# KiCad board rabbit_mask_video_edit.kicad_pcb (continued)
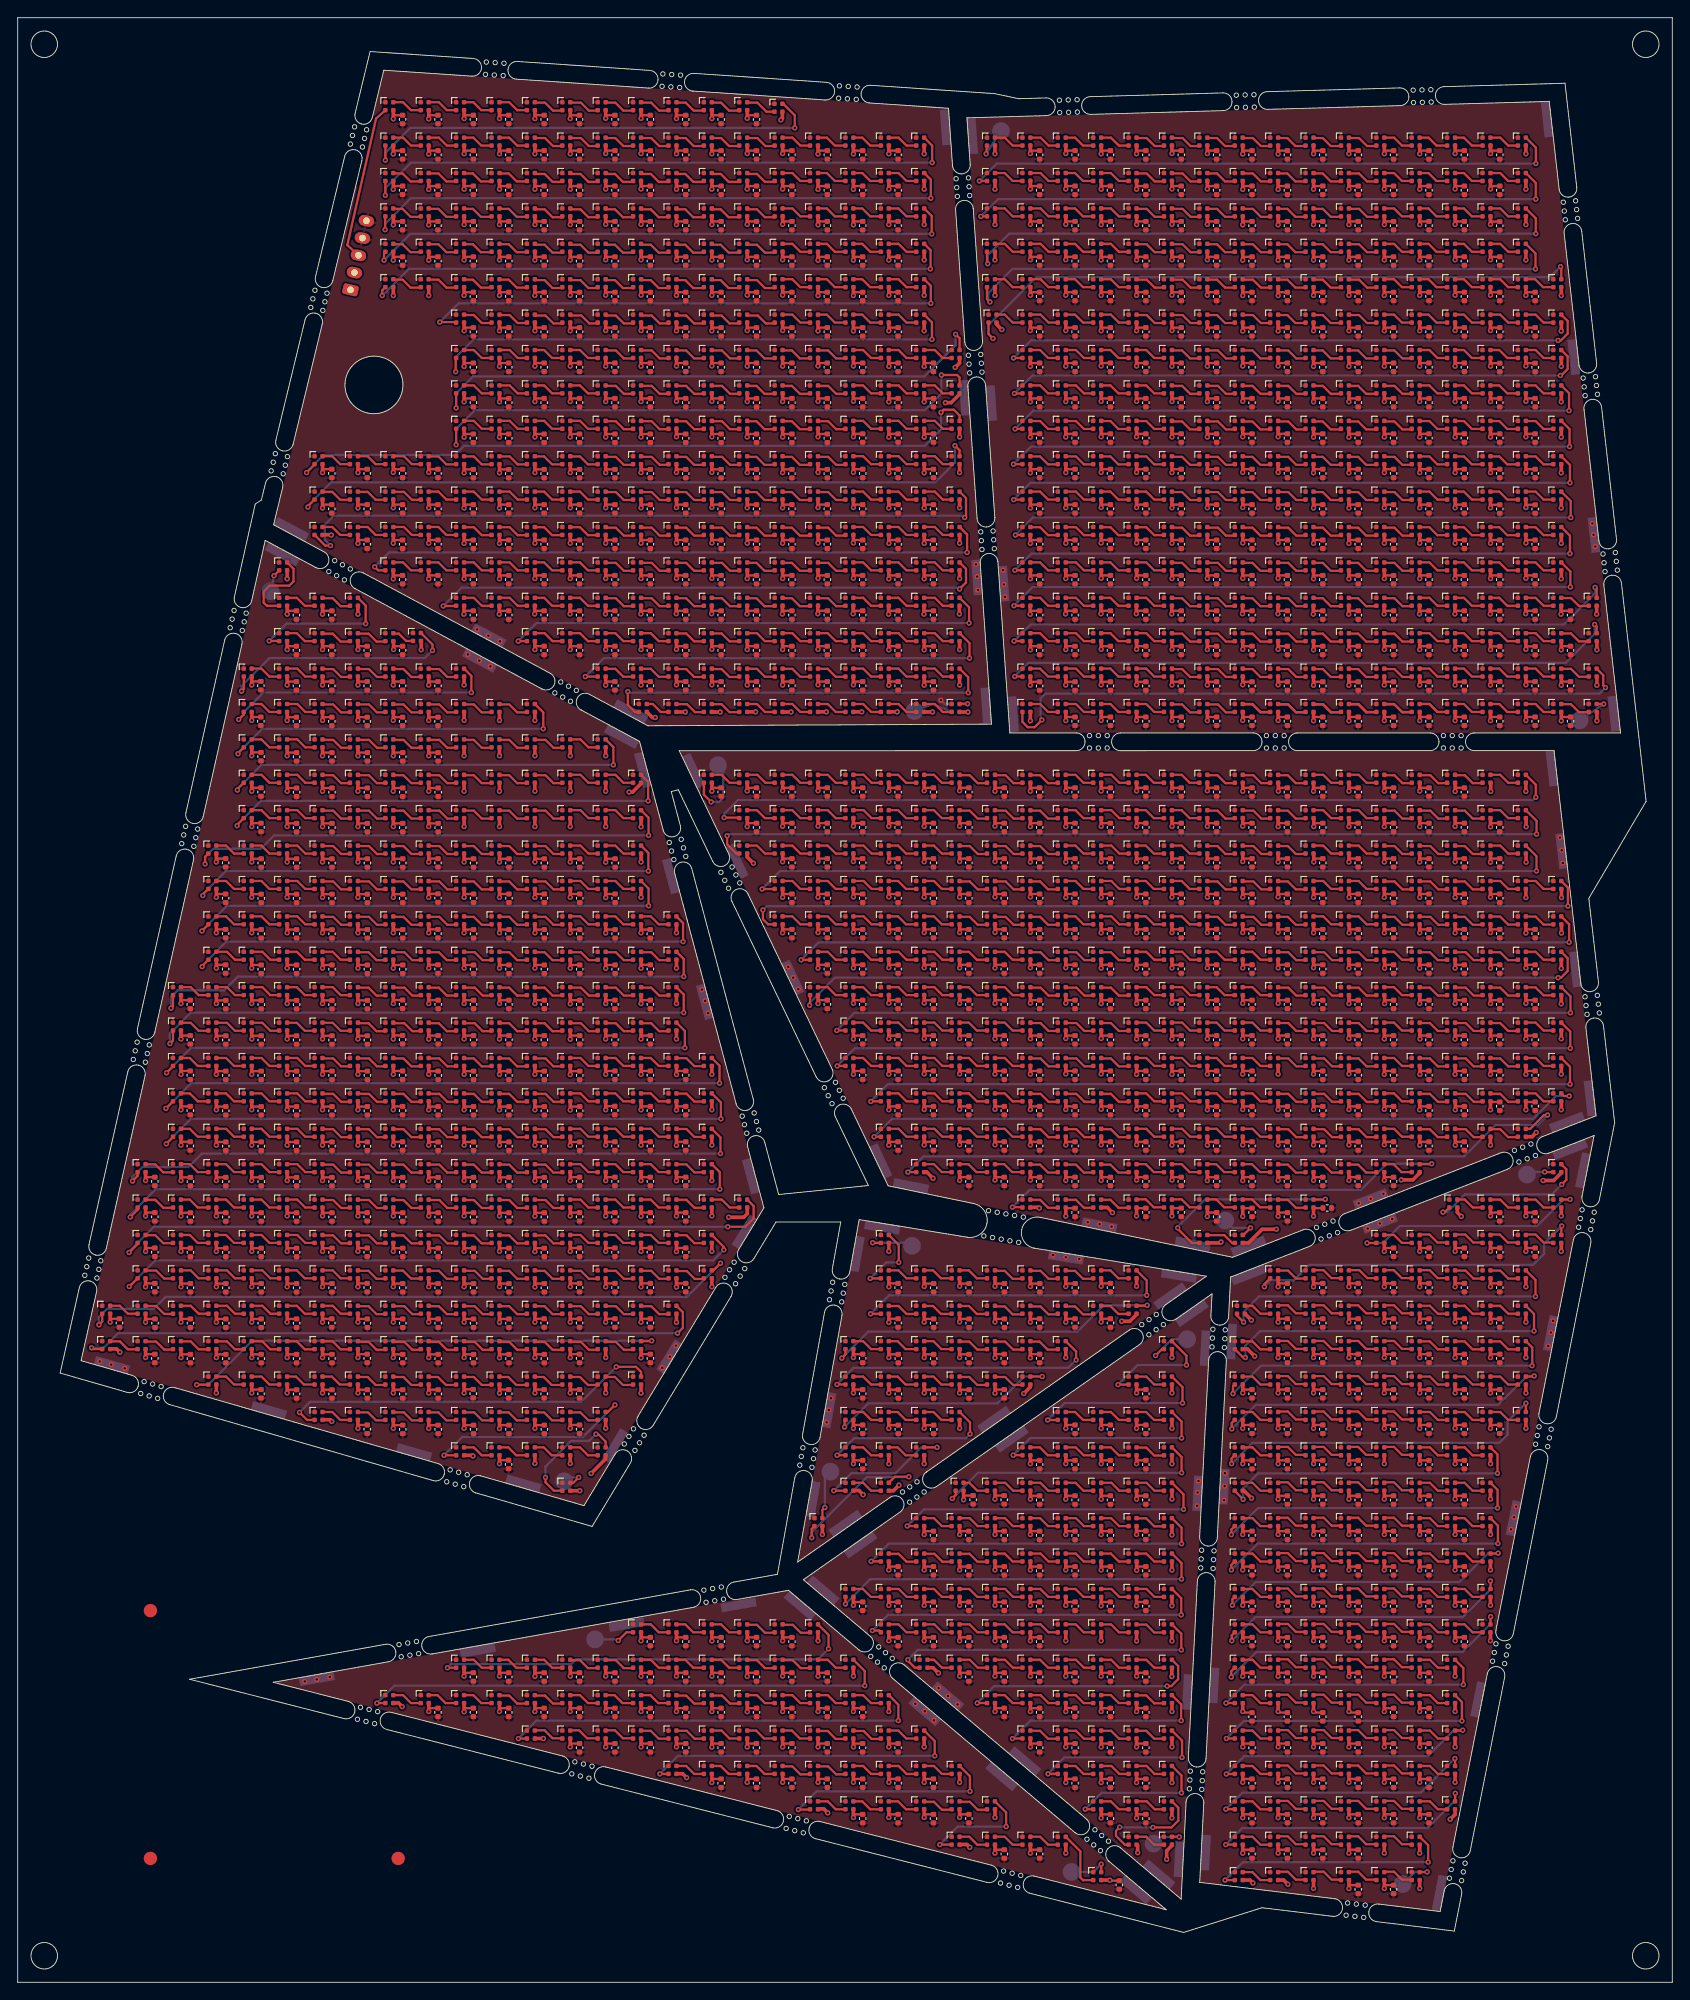
[diagram p0: board, top side]
## Routing (per net, layer and track width the routed paths; a pad name or vN(x,y) marks a point on that pad's centre or on a via; arc(x,y) is an arc through that point) (continued)
v1(114.45,162.6) ; 158.45,75.57 v1(158.45,74.6) ; 42.45,143.57 v1(42.45,142.6) ; 98.45,179.57 v1(98.45,178.6) ; 94.45,35.57 v1(94.45,34.6) ; 162.45,47.57 v1(162.45,46.6) ; 154.45,63.57 v1(154.45,62.6) ; 130.45,175.6 v1(130.45,174.62) ; 134.45,131.6 v1(134.45,130.62) ; 134.45,135.62 v1(134.45,134.65) ; 82.45,131.57 v1(82.45,130.6) ; D193.2 110.62,187.35 v1(111.22,186.75) ; D495.2 v1(114.45,150.57) ; 170.45,103.57 v1(170.45,102.6) ; 38.45,155.57 v1(38.45,154.6) ; 90.45,175.62 v1(90.45,174.65) ; 58.45,119.58 v1(58.45,118.6) ; 98.45,63.57 v1(98.45,62.6) ; 154.45,195.6 v1(154.45,194.62) ; 94.45,119.62 v1(94.45,118.65) ; 170.47,131.55 v1(170.47,130.57) ; 98.45,123.62 v1(98.45,122.65) ; 90.45,135.62 v1(90.45,134.65) ; 150.45,35.56 v1(150.45,34.59) ; 82.45,167.6 v1(82.45,166.62) ; 50.45,103.57 v1(50.45,102.6) ; 42.45,91.57 v1(42.45,90.6) ; 58.45,163.6 v1(58.45,162.62) ; 50.45,91.57 v1(50.45,90.6) ; D1411.2 v1(78.45,26.57) ; 38.45,103.57 v1(38.45,102.6) ; 90.45,39.57 v1(90.45,38.6) ; 94.45,67.57 v1(94.45,66.6) ; 90.45,159.62 v1(90.45,158.65) ; 58.45,31.57 v1(58.45,30.6) ; 86.45,151.57 v1(86.45,150.6) ; 166.45,59.57 v1(166.45,58.6) ; 130.45,87.57 v1(130.45,86.6) ; D1478.2 v1(123.43,11.55) ; D1131.2 v1(98.45,74.57) ; 130.45,51.54 v1(130.45,50.56) ; 158.45,43.57 v1(158.45,42.6) ; 174.45,163.57 v1(174.45,162.6) ; 106.45,163.6 v1(106.45,162.62) ; 114.45,31.57 v1(114.45,30.6) ; 86.45,135.62 v1(86.45,134.65) ; 62.45,195.6 v1(62.45,194.62) ; 114.45,27.57 v1(114.45,26.6) ; 94.45,203.57 v1(94.45,202.6) ; 58.45,135.57 v1(58.45,134.6) ; 158.45,187.6 v1(158.45,186.62) ; 114.45,35.57 v1(114.45,34.6) ; 70.45,127.58 v1(70.45,126.6) ; D809.2 v1(174.45,114.58) ; 74.45,171.6 v1(74.45,170.62) ; 74.45,179.62 v1(74.45,178.65) ; 94.45,175.62 v1(94.45,174.65) ; 86.45,127.6 v1(86.45,126.62) ; 98.45,23.57 v1(98.45,22.6) ; 70.45,207.62 v1(70.45,206.65) ; 170.45,167.62 v1(170.45,166.65) ; 106.45,23.57 v1(106.45,22.6) ; 106.45,51.57 v1(106.45,50.6) ; 166.45,179.6 v1(166.45,178.62) ; 146.45,75.57 v1(146.45,74.6) ; 78.45,159.62 v1(78.45,158.65) ; 74.45,207.6 v1(74.45,206.62) ; 26.45,143.57 v1(26.45,142.6) ; 114.45,91.62 v1(114.45,90.65) ; 102.45,63.57 v1(102.45,62.6) ; 118.45,71.57 v1(118.45,70.6) ; 46.45,163.6 v1(46.45,162.62) ; 58.45,131.57 v1(58.45,130.6) ; 102.45,95.6 v1(102.45,94.62) ; 110.45,99.62 v1(110.45,98.65) ; 146.45,159.57 v1(146.45,158.6) ; 30.45,115.58 v1(30.45,114.6) ; 138.45,203.57 v1(138.45,202.6) ; 114.45,43.57 v1(114.45,42.6) ; 162.45,159.6 v1(162.45,158.62) ; 166.47,135.55 v1(166.47,134.57) ; 138.45,15.57 v1(138.45,14.6) ; 70.42,155.6 v1(70.42,154.62) ; 162.45,163.6 v1(162.45,162.62) ; 150.45,207.6 v1(150.45,206.62) ; 166.45,43.57 v1(166.45,42.6) ; 166.45,123.6 v1(166.45,122.62) ; 118.45,203.62 v1(118.45,202.65) ; 118.45,199.62 v1(118.45,198.65) ; 154.45,11.57 v1(154.45,10.6) ; 114.45,167.57 v1(114.45,166.6) ; 82.45,159.6 v1(82.45,158.62) ; 110.45,131.62 v1(110.45,130.65) ; 130.43,35.53 v1(130.43,34.56) ; 62.45,87.57 v1(62.45,86.6) ; 102.45,43.57 v1(102.45,42.6) ; 170.45,171.6 v1(170.45,170.62) ; 106.45,103.62 v1(106.45,102.65) ; 106.45,175.6 v1(106.45,174.62) ; 102.45,199.6 v1(102.45,198.62) ; 38.45,79.57 v1(38.45,78.6) ; 42.45,139.57 v1(42.45,138.6) ; D858.2 v1(62.45,106.57) ; 130.45,119.6 v1(130.45,118.62) ; 126.45,103.57 v1(126.45,102.6) ; 46.45,95.57 v1(46.45,94.6) ; 46.45,83.57 v1(46.45,82.6) ; 54.45,135.57 v1(54.45,134.6) ; 170.45,67.57 v1(170.45,66.6) ; 38.45,167.57 v1(38.45,166.6) ; v1(45.6,150.57) 45.6,151.55 D481.2 ; 142.45,107.6 v1(142.45,106.62) ; 114.45,127.58 v1(114.45,126.6) ; 42.45,199.57 v1(42.45,198.6) ; 62.45,115.58 v1(62.45,114.6) ; 130.45,199.62 v1(130.45,198.65) ; 154.45,163.6 v1(154.45,162.62) ; 142.45,23.57 v1(142.45,22.6) ; 34.45,111.57 v1(34.45,110.6) ; 34.45,139.57 v1(34.45,138.6) ; 38.45,87.57 v1(38.45,86.6) ; 30.45,75.57 v1(30.45,74.6) ; 78.45,103.57 v1(78.45,102.6) ; 126.45,115.58 v1(126.45,114.6) ; 118.45,207.62 v1(118.45,206.65) ; 142.45,35.56 v1(142.45,34.59) ; 26.45,115.58 v1(26.45,114.6) ; 146.45,203.6 v1(146.45,202.62) ; 30.45,119.58 v1(30.45,118.6) ; 110.45,195.6 v1(110.45,194.62) ; 94.45,191.57 v1(94.45,190.6) ; 42.45,31.57 43.03,31.57 v1(43.45,31.15) ; 138.45,59.57 v1(138.45,58.6) ; 158.45,59.57 v1(158.45,58.6) ; 154.45,103.57 v1(154.45,102.6) ; 122.45,203.6 v1(122.45,202.62) ; 122.45,163.62 v1(122.45,162.65) ; 158.45,35.56 v1(158.45,34.59) ; 98.42,143.56 v1(99.39,143.56) ; 130.45,59.57 v1(130.45,58.6) ; 102.45,47.57 v1(102.45,46.6) ; 50.45,143.57 v1(50.45,142.6) ; 58.45,195.6 v1(58.45,194.62) ; 94.45,179.62 v1(94.45,178.65) ; 138.45,43.57 v1(138.45,42.6) ; 146.45,143.53 v1(146.45,142.55) ; 170.45,187.6 v1(170.45,186.62) ; 158.45,39.57 v1(158.45,38.6) ; 22.45,111.57 v1(22.45,110.6) ; 46.45,67.57 v1(46.45,66.6) ; 58.45,183.6 v1(58.45,182.62) ; 122.45,111.57 v1(122.45,110.6) ; 110.45,55.57 v1(110.45,54.6) ; 114.43,155.57 v1(114.43,154.6) ; 170.45,195.6 v1(170.45,194.62) ; 94.45,71.57 v1(94.45,70.6) ; 22.45,95.57 v1(22.45,94.6) ; 150.45,63.57 v1(150.45,62.6) ; 66.45,195.62 v1(66.45,194.65) ; 138.45,119.6 v1(138.45,118.62) ; 30.45,123.58 v1(30.45,122.6) ; 98.45,111.62 v1(98.45,110.65) ; 58.45,151.57 v1(58.45,150.6) ; 142.45,127.58 v1(142.45,126.6) ; 30.45,87.57 v1(30.45,86.6) ; 114.45,103.6 v1(114.45,102.62) ; 122.45,31.57 v1(122.45,30.6) ; 42.45,171.6 v1(42.45,170.62) ; 146.45,99.6 v1(146.45,98.62) ; 118.45,123.58 v1(118.45,122.6) ; 138.43,155.62 v1(138.43,154.65) ; 66.45,163.6 v1(66.45,162.62) ; 106.45,147.57 v1(106.45,146.6) ; 150.45,71.57 v1(150.45,70.6) ; 142.45,15.57 v1(142.45,14.6) ; 122.45,183.62 v1(122.45,182.65) ; 126.45,151.6 v1(126.45,150.62) ; 94.45,103.57 v1(94.45,102.6) ; 142.45,183.62 v1(142.45,182.65) ; 170.45,71.57 v1(170.45,70.6) ; 146.45,27.57 v1(146.45,26.6) ; 26.45,107.57 v1(26.45,106.6) ; 138.45,71.57 138.97,71.57 v1(139.8,70.75) ; 150.45,55.57 v1(150.45,54.6) ; 110.45,135.57 v1(110.45,134.6) ; 54.45,115.58 v1(54.45,114.6) ; 58.45,167.6 v1(58.45,166.62) ; D1002.2 v1(58.45,90.57) ; 118.45,55.57 v1(118.45,54.6) ; 130.45,95.57 v1(130.45,94.6) ; 34.45,91.57 v1(34.45,90.6) ; 158.45,191.6 v1(158.45,190.62) ; 122.45,131.6 v1(122.45,130.62) ; 138.45,67.57 v1(138.45,66.6) ; 146.45,107.6 v1(146.45,106.62) ; 102.45,187.6 v1(102.45,186.62) ; 54.42,155.57 v1(54.42,154.6) ; 50.42,155.57 v1(50.42,154.6) ; 66.45,87.57 v1(66.45,86.6) ; 142.47,135.57 v1(142.47,134.6) ; 106.45,119.6 v1(106.45,118.62) ; 90.45,163.62 v1(90.45,162.65) ; 102.45,127.6 v1(102.45,126.62) ; D1342.2 v1(130.45,38.57) ; D785.2 v1(66.45,114.58) ; 10.45,75.57 v1(10.45,74.6) ; 66.45,175.6 v1(66.45,174.62) ; 162.45,167.6 v1(162.45,166.62) ; 34.45,143.57 v1(34.45,142.6) ; 78.45,99.57 v1(78.45,98.6) ; 38.45,123.58 v1(38.45,122.6) ; 74.45,175.62 v1(74.45,174.65) ; 138.45,207.57 v1(138.45,206.6) ; 170.45,87.57 v1(170.45,86.6) ; 150.45,39.57 v1(150.45,38.6) ; 26.45,119.58 v1(26.45,118.6) ; 78.45,83.57 v1(78.45,82.6) ; 158.45,175.6 v1(158.45,174.62) ; 166.45,115.58 v1(166.45,114.6) ; 122.45,135.6 v1(122.45,134.62) ; 154.45,35.56 v1(154.45,34.59) ; 166.45,119.6 v1(166.45,118.62) ; 30.45,159.57 v1(30.45,158.6) ; 134.45,179.6 v1(134.45,178.62) ; D641.2 v1(70.45,130.57) ; 46.45,107.57 v1(46.45,106.6) ; 78.42,155.62 v1(78.42,154.65) ; 142.45,179.62 v1(142.45,178.65) ; 126.45,119.6 v1(126.45,118.62) ; 62.45,131.57 v1(62.45,130.6) ; 62.45,199.6 v1(62.45,198.62) ; 158.45,203.6 v1(158.45,202.62) ; 58.45,123.58 v1(58.45,122.6) ; D1458.2 v1(130.45,18.57) ; 118.45,15.57 v1(118.45,14.6) ; 78.45,87.57 v1(78.45,86.6) ; 142.45,79.57 v1(142.45,78.6) ; 38.45,143.57 v1(38.45,142.6) ; 158.45,183.6 v1(158.45,182.62) ; 42.45,119.58 v1(42.45,118.6) ; 114.45,119.62 v1(114.45,118.65) ; 66.45,103.57 v1(66.45,102.6) ; 114.45,15.57 v1(114.45,14.6) ; 66.45,107.57 v1(66.45,106.6) ; D322.2 v1(114.45,170.57) ; 22.45,127.58 v1(22.45,126.6) ; 154.45,175.6 v1(154.45,174.62) ; 146.45,31.57 v1(146.45,30.6) ; 98.45,163.57 v1(98.45,162.6) ; 70.45,163.6 v1(70.45,162.62) ; 90.45,203.57 v1(90.45,202.6) ; 30.45,135.57 v1(30.45,134.6) ; 174.45,99.57 v1(174.45,98.6) ; 154.45,91.6 v1(154.45,90.62) ; 62.45,203.6 v1(62.45,202.62) ; 98.45,107.6 v1(98.45,106.62) ; D1050.2 v1(146.45,86.57) ; 162.47,99.57 v1(162.47,98.6) ; 70.45,35.57 v1(70.45,34.6) ; 42.45,87.57 v1(42.45,86.6) ; 34.45,115.58 v1(34.45,114.6) ; D545.2 v1(174.45,146.57) ; D1092.2 v1(58.45,78.57) ; D503.2 v1(146.45,150.57) ; 66.45,135.57 v1(66.45,134.6) ; 154.47,115.58 v1(154.47,114.6) ; 98.45,191.6 v1(98.45,190.62) ; 42.45,107.57 v1(42.45,106.6) ; 30.45,139.57 v1(30.45,138.6) ; D528.2 v1(102.45,146.57) ; 170.45,151.6 v1(170.45,150.62) ; 142.45,103.6 v1(142.45,102.62) ; 162.45,27.57 v1(162.45,26.6) ; 98.45,99.57 v1(98.45,98.6) ; 106.45,67.57 v1(106.45,66.6) ; 162.45,207.62 v1(162.45,206.65) ; 158.45,27.57 v1(158.45,26.6) ; 42.45,83.57 v1(42.45,82.6) ; D1066.2 v1(58.45,82.57) ; 18.45,79.57 v1(18.45,78.6) ; 126.45,127.6 v1(126.45,126.62) ; 158.45,63.57 v1(158.45,62.6) ; 94.45,43.57 v1(94.45,42.6) ; 82.45,39.57 v1(82.45,38.6) ; 90.45,23.57 v1(90.45,22.6) ; 66.45,191.62 v1(66.45,190.65) ; 106.45,91.6 v1(106.45,90.62) ; 146.45,47.57 v1(146.45,46.6) ; 110.45,15.57 v1(110.45,14.6) ; 154.45,75.57 v1(154.45,74.6) ; 110.45,51.57 v1(110.45,50.6) ; 54.45,107.57 v1(54.45,106.6) ; 42.45,147.57 v1(42.45,146.6) ; 58.45,103.57 v1(58.45,102.6) ; 86.42,155.6 v1(86.42,154.62) ; D308.2 v1(54.45,170.57) ; 82.45,195.62 v1(82.45,194.65) ; 126.45,91.62 v1(126.45,90.65) ; 106.45,43.57 v1(106.45,42.6) ; 118.45,35.57 v1(118.45,34.6) ; 162.45,39.57 v1(162.45,38.6) ; 150.45,79.57 v1(150.45,78.6) ; 102.45,19.6 v1(102.45,18.62) ; 162.45,183.6 v1(162.45,182.62) ; 146.45,135.57 v1(146.45,134.6) ; 142.45,159.62 v1(142.45,158.65) ; 158.45,151.57 v1(158.45,150.6) ; 58.45,171.57 v1(58.45,170.6) ; 170.45,203.6 v1(170.45,202.62) ; 154.45,171.57 v1(154.45,170.6) ; 70.45,167.6 v1(70.45,166.62) ; 118.43,155.6 v1(118.43,154.62) ; 46.45,75.57 v1(46.45,74.6) ; 86.45,123.58 v1(86.45,122.6) ; 130.45,187.62 v1(130.45,186.65) ; 50.45,147.57 v1(50.45,146.6) ; 46.45,203.57 v1(46.45,202.6) ; 94.45,159.62 v1(94.45,158.65) ; 166.45,87.57 v1(166.45,86.6) ; 78.45,95.57 v1(78.45,94.6) ; 134.45,171.57 v1(134.45,170.6) ; 94.45,23.57 v1(94.45,22.6) ; D1096.2 v1(74.45,78.57) ; 70.45,203.62 v1(70.45,202.65) ; 98.45,27.57 v1(98.45,26.6) ; 62.45,151.57 v1(62.45,150.6) ; 142.45,131.57 v1(142.45,130.6) ; 66.45,27.57 v1(66.45,26.6) ; 154.47,111.57 v1(154.47,110.6) ; 98.42,155.57 v1(98.42,154.6) ; 118.45,47.57 v1(118.45,46.6) ; 170.45,83.57 v1(170.45,82.6) ; 62.45,119.58 v1(62.45,118.6) ; 26.45,79.57 v1(26.45,78.6) ; 126.45,123.6 v1(126.45,122.62) ; 46.45,119.58 v1(46.45,118.6) ; 42.45,191.57 v1(42.45,190.6) ; 62.45,79.57 v1(62.45,78.6) ; 34.45,83.57 v1(34.45,82.6) ; 154.45,51.57 v1(154.45,50.6) ; D1038.2 v1(70.45,86.57) ; 138.45,99.6 v1(138.45,98.62) ; 138.45,195.57 v1(138.45,194.6) ; D1359.2 v1(82.45,34.57) ; 98.45,67.57 v1(98.45,66.6) ; 58.45,187.6 v1(58.45,186.62) ; 174.45,107.6 v1(174.45,106.62) ; D1341.2 v1(126.45,38.57) ; 50.45,79.57 v1(50.45,78.6) ; 154.45,71.57 v1(154.45,70.6) ; 34.45,67.57 v1(34.45,66.6) ; 106.45,111.6 v1(106.45,110.62) ; 130.45,183.6 v1(130.45,182.62) ; 126.45,31.57 v1(126.45,30.6) ; 70.45,195.62 v1(70.45,194.65) ; 166.45,207.62 v1(166.45,206.65) ; 50.45,183.57 v1(50.45,182.6) ; 78.45,191.6 v1(78.45,190.62) ; 46.45,111.57 v1(46.45,110.6) ; 118.45,91.6 v1(118.45,90.62) ; 98.45,115.62 v1(98.45,114.65) ; 138.45,151.6 v1(138.45,150.62) ; 94.45,135.6 v1(94.45,134.62) ; v1(91.55,19.15) 91.1,19.6 90.45,19.6 ; 86.45,191.62 v1(86.45,190.65) ; 70.45,179.6 v1(70.45,178.62) ; 62.42,155.6 v1(62.42,154.62) ; D897.2 v1(74.45,102.57) ; 122.45,147.6 v1(122.45,146.62) ; 106.45,151.57 v1(106.45,150.6) ; 102.45,175.57 v1(102.45,174.6) ; 114.45,55.57 v1(114.45,54.6) ; 170.45,147.6 v1(170.45,146.62) ; 30.45,83.57 v1(30.45,82.6) ; 62.45,59.6 v1(62.45,58.62) ; 142.45,191.57 v1(142.45,190.6) ; 126.45,43.53 v1(126.45,42.56) ; 122.45,115.58 v1(122.45,114.6) ; 54.45,175.57 v1(54.45,174.6) ; 166.45,39.57 v1(166.45,38.6) ; 130.45,111.6 v1(130.45,110.62) ; 150.45,67.57 v1(150.45,66.6) ; 158.47,103.57 v1(158.47,102.6) ; 114.45,159.57 v1(114.45,158.6) ; 142.45,43.57 v1(142.45,42.6) ; 126.45,135.6 v1(126.45,134.62) ; 18.45,75.57 v1(18.45,74.6) ; 62.45,35.57 v1(62.45,34.6) ; 102.45,179.57 v1(102.45,178.6) ; 118.45,115.62 v1(118.45,114.65) ; 54.45,127.58 v1(54.45,126.6) ; D970.2 v1(74.45,94.57) ; 118.45,51.57 v1(118.45,50.6) ; 150.45,99.6 v1(150.45,98.62) ; 158.45,79.57 v1(158.45,78.6) ; 54.45,95.57 v1(54.45,94.6) ; 142.45,195.57 v1(142.45,194.6) ; 118.45,59.57 v1(118.45,58.6) ; 130.45,163.6 v1(130.45,162.62) ; 158.45,51.57 v1(158.45,50.6) ; 30.45,95.57 v1(30.45,94.6) ; 78.42,143.54 v1(79.39,143.54) ; 130.45,27.57 v1(130.45,26.6) ; 162.45,195.62 v1(162.45,194.65) ; 22.45,87.57 v1(22.45,86.6) ; 26.45,127.58 v1(26.45,126.6) ; 166.45,151.57 v1(166.45,150.6) ; 162.45,175.6 v1(162.45,174.62) ; 146.45,207.6 v1(146.45,206.62) ; 74.45,119.58 v1(74.45,118.6) ; 74.45,87.57 v1(74.45,86.6) ; 130.45,131.6 v1(130.45,130.62) ; 158.45,195.6 v1(158.45,194.62) ; 102.45,183.57 v1(102.45,182.6) ; 118.45,131.57 v1(118.45,130.6) ; 142.45,55.57 v1(142.45,54.6) ; 54.45,103.57 v1(54.45,102.6) ; 82.45,187.62 v1(82.45,186.65) ; 154.45,31.57 v1(154.45,30.6) ; 54.45,139.57 v1(54.45,138.6) ; 138.45,187.57 v1(138.45,186.6) ; 166.45,67.57 v1(166.45,66.6) ; 18.45,83.57 v1(18.45,82.6) ; 82.45,147.57 v1(82.45,146.6) ; 94.45,107.57 v1(94.45,106.6) ; 142.45,91.6 v1(142.45,90.62) ; D1258.2 v1(63.53,55.55) ; 78.45,195.6 v1(78.45,194.62) ; D567.2 v1(118.45,142.57) ; 74.45,187.6 v1(74.45,186.62) ; 90.45,115.58 v1(90.45,114.6) ; D1159.2 v1(54.45,70.57) ; 166.45,199.62 v1(166.45,198.65) ; 54.45,191.6 v1(54.45,190.62) ; 82.45,211.6 v1(82.45,210.62) ; 162.45,71.57 v1(162.45,70.6) ; 130.45,127.6 v1(130.45,126.62) ; 58.45,59.6 v1(58.45,58.62) ; 90.45,27.57 v1(90.45,26.6) ; 66.42,155.6 v1(66.42,154.62) ; 110.45,79.62 v1(110.45,78.65) ; 170.45,159.62 v1(170.45,158.65) ; 58.45,191.6 v1(58.45,190.62) ; 150.45,203.6 v1(150.45,202.62) ; 118.45,187.62 v1(118.45,186.65) ; 50.45,167.57 v1(50.45,166.6) ; 106.45,19.6 v1(106.45,18.62) ; 38.45,151.57 v1(38.45,150.6) ; 90.45,167.62 v1(90.45,166.65) ; 114.45,199.62 v1(114.45,198.65) ; 90.45,111.57 v1(90.45,110.6) ; 30.45,91.57 v1(30.45,90.6) ; 62.45,211.57 v1(62.45,210.6) ; D1043.2 v1(118.45,86.57) ; 78.45,183.62 v1(78.45,182.65) ; D1193.2 v1(70.45,66.57) ; 154.45,123.58 v1(154.45,122.6) ; 94.45,187.57 v1(94.45,186.6) ; 162.45,43.57 v1(162.45,42.6) ; D1198.2 v1(110.45,66.57) ; 22.45,123.58 v1(22.45,122.6) ; 126.45,179.62 v1(126.45,178.65) ; 170.45,75.57 v1(170.45,74.6) ; 126.45,199.6 v1(126.45,198.62) ; 110.45,35.57 v1(110.45,34.6) ; 166.45,191.62 v1(166.45,190.65) ; 154.45,159.6 v1(154.45,158.62) ; 150.45,135.57 v1(150.45,134.6) ; 106.45,127.62 v1(106.45,126.65) ; 154.45,99.62 v1(154.45,98.65) ; D579.2 v1(166.45,142.57) ; 78.45,179.62 v1(78.45,178.65) ; 154.45,83.57 v1(154.45,82.6) ; 162.45,127.6 v1(162.45,126.62) ; 150.45,115.58 v1(150.45,114.6) ; 106.45,63.57 v1(106.45,62.6) ; 70.45,199.62 v1(70.45,198.65) ; 110.45,43.57 v1(110.45,42.6) ; 50.45,107.57 v1(50.45,106.6) ; 98.45,207.6 v1(98.45,206.62) ; 166.45,63.57 v1(166.45,62.6) ; 158.45,55.57 v1(158.45,54.6) ; 166.45,103.57 v1(166.45,102.6) ; 70.45,119.58 v1(70.45,118.6) ; 70.45,79.57 v1(70.45,78.6) ; 118.45,179.6 v1(118.45,178.62) ; 90.45,127.62 v1(90.45,126.65) ; 82.42,143.56 v1(83.39,143.56) ; 34.45,135.57 v1(34.45,134.6) ; 154.45,135.57 v1(154.45,134.6) ; 98.45,95.57 v1(98.45,94.6) ; 38.45,83.57 v1(38.45,82.6) ; 150.45,143.53 v1(150.45,142.55) ; 146.45,115.62 v1(146.45,114.65) ; 46.45,147.57 v1(46.45,146.6) ; 114.45,95.6 v1(114.45,94.62) ; 78.45,203.6 v1(78.45,202.62) ; 170.45,115.6 v1(170.45,114.62) ; 14.45,91.57 v1(14.45,90.6) ; 126.46,47.55 v1(126.46,46.57) ; 54.45,99.57 v1(54.45,98.6) ; 126.45,111.57 v1(126.45,110.6) ; 70.45,147.57 v1(70.45,146.6) ; 98.45,135.6 v1(98.45,134.62) ; 54.45,79.57 v1(54.45,78.6) ; 174.45,143.53 v1(174.45,142.55) ; 26.45,71.57 v1(26.45,70.6) ; 50.45,119.58 v1(50.45,118.6) ; 154.45,183.6 v1(154.45,182.62) ; 62.45,183.6 v1(62.45,182.62) ; 94.45,151.6 v1(94.45,150.62) ; 174.45,187.57 v1(174.45,186.6) ; 118.45,79.6 v1(118.45,78.62) ; 86.45,39.57 v1(86.45,38.6) ; 150.45,179.57 v1(150.45,178.6) ; 174.45,175.57 v1(174.45,174.6) ; 50.45,139.57 v1(50.45,138.6) ; 94.45,171.6 v1(94.45,170.62) ; 74.45,183.62 v1(74.45,182.65) ; 18.45,111.57 v1(18.45,110.6) ; 142.45,111.6 v1(142.45,110.62) ; 122.45,63.57 v1(122.45,62.6) ; 166.45,47.57 v1(166.45,46.6) ; 142.45,143.57 v1(142.45,142.6) ; 122.45,99.62 v1(122.45,98.65) ; 154.45,95.62 v1(154.45,94.65) ; 42.45,203.57 v1(42.45,202.6) ; 42.45,167.6 v1(42.45,166.62) ; 86.45,179.6 v1(86.45,178.62) ; 138.45,127.62 v1(138.45,126.65) ; 10.45,71.57 11.17,71.57 v1(11.55,71.2) ; 130.45,63.57 v1(130.45,62.6) ; 58.45,107.57 v1(58.45,106.6) ; 46.45,191.57 v1(46.45,190.6) ; 122.45,119.58 v1(122.45,118.6) ; 122.45,187.6 v1(122.45,186.62) ; 142.45,147.6 v1(142.45,146.62) ; 26.45,131.57 v1(26.45,130.6) ; D337.2 v1(174.45,170.57) ; D1380.2 v1(50.45,30.57) ; 94.45,195.57 v1(94.45,194.6) ; D894.2 v1(62.45,102.57) ; 150.45,199.6 v1(150.45,198.62) ; 30.45,67.57 v1(30.45,66.6) ; 114.45,47.57 v1(114.45,46.6) ; 138.45,183.62 v1(138.45,182.65) ; 122.45,175.62 v1(122.45,174.65) ; 142.45,151.6 v1(142.45,150.62) ; v1(139.43,74.82) D1139.2 ; D1035.2 v1(58.45,86.57) ; 66.45,99.57 v1(66.45,98.6) ; 66.45,131.57 v1(66.45,130.6) ; 110.45,39.57 v1(110.45,38.6) ; D530.2 v1(114.45,146.57) ; 78.45,31.57 v1(78.45,30.6) ; 146.45,43.57 v1(146.45,42.6) ; 126.45,67.57 v1(126.45,66.6) ; 154.45,23.57 v1(154.45,22.6) ; 162.45,147.57 v1(162.45,146.6) ; 154.45,27.57 v1(154.45,26.6) ; 50.45,135.57 v1(50.45,134.6) ; 150.47,123.58 v1(150.47,122.6) ; 90.45,207.57 v1(90.45,206.6) ; 138.45,107.6 v1(138.45,106.62) ; 14.45,71.57 v1(14.45,70.6) ; 174.45,159.57 v1(174.45,158.6) ; 146.45,191.6 v1(146.45,190.62) ; 166.45,55.57 v1(166.45,54.6) ; D319.2 v1(98.45,170.57) ; 102.45,71.57 v1(102.45,70.6) ; 94.45,59.57 v1(94.45,58.6) ; 22.45,71.57 v1(22.45,70.6) ; 114.45,123.62 v1(114.45,122.65) ; 106.45,135.62 v1(106.45,134.65) ; 130.45,179.6 v1(130.45,178.62) ; 94.45,111.6 v1(94.45,110.62) ; 26.45,99.57 v1(26.45,98.6) ; 126.45,191.6 v1(126.45,190.62) ; 166.45,187.62 v1(166.45,186.65) ; 42.45,163.6 v1(42.45,162.62) ; 102.45,207.6 v1(102.45,206.62) ; 50.45,83.57 v1(50.45,82.6) ; 50.45,203.6 v1(50.45,202.62) ; 86.45,23.57 v1(86.45,22.6) ; 62.45,175.6 v1(62.45,174.62) ; 34.45,71.57 v1(34.45,70.6) ; D1.2 v1(42.45,210.57) ; 146.45,15.57 v1(146.45,14.6) ; 74.45,27.57 v1(74.45,26.6) ; 66.45,75.57 v1(66.45,74.6) ; 62.45,191.6 v1(62.45,190.62) ; 58.45,139.57 v1(58.45,138.6) ; 34.45,151.57 v1(34.45,150.6) ; 30.45,111.57 v1(30.45,110.6) ; 94.45,123.62 v1(94.45,122.65) ; 106.45,75.6 v1(106.45,74.62) ; 114.45,39.57 v1(114.45,38.6) ; 142.45,95.6 v1(142.45,94.62) ; 102.45,27.57 v1(102.45,26.6) ; 30.45,155.57 v1(30.45,154.6) ; v1(72.05,142.93) 71.72,142.93 D556.2 ; 162.45,199.62 v1(162.45,198.65) ; 154.43,155.6 v1(154.43,154.62) ; v1(51.45,59.47) 51.38,59.55 D1237.2 ; 118.45,63.57 v1(118.45,62.6) ; 158.45,123.58 v1(158.45,122.6) ; 130.45,159.6 v1(130.45,158.62) ; 158.45,83.57 v1(158.45,82.6) ; 42.45,207.57 v1(42.45,206.6) ; 18.45,87.57 v1(18.45,86.6) ; 50.45,179.57 v1(50.45,178.6) ; 14.45,87.57 v1(14.45,86.6) ; 150.45,183.57 v1(150.45,182.6) ; 134.45,191.62 v1(134.45,190.65) ; 110.45,127.62 v1(110.45,126.65) ; 74.45,35.57 v1(74.45,34.6) ; 94.45,115.6 v1(94.45,114.62) ; 70.45,183.6 v1(70.45,182.62) ; 142.45,123.62 v1(142.45,122.65) ; 58.45,211.57 v1(58.45,210.6) ; 86.45,183.6 v1(86.45,182.62) ; 42.45,135.57 v1(42.45,134.6) ; 146.45,51.57 v1(146.45,50.6) ; 130.45,55.57 v1(130.45,54.6) ; 158.45,163.6 v1(158.45,162.62) ; 50.45,35.57 v1(50.45,34.6) ; 110.45,103.6 v1(110.45,102.62) ; 154.45,167.6 v1(154.45,166.62) ; 122.45,143.57 v1(122.45,142.6) ; 98.45,183.57 v1(98.45,182.6) ; 126.45,99.62 v1(126.45,98.65) ; 62.45,135.57 v1(62.45,134.6) ; 126.45,159.62 v1(126.45,158.65) ; 58.45,95.57 v1(58.45,94.6) ; 114.45,187.62 v1(114.45,186.65) ; 58.45,67.57 v1(58.45,66.6) ; 30.45,147.57 v1(30.45,146.6) ; 126.45,79.62 v1(126.45,78.65) ; 62.45,167.6 v1(62.45,166.62) ; D967.2 v1(62.45,94.57) ; 114.45,79.6 v1(114.45,78.62) ; 98.45,39.57 v1(98.45,38.6) ; 150.45,175.57 v1(150.45,174.6) ; 82.45,191.62 v1(82.45,190.65) ; 166.45,203.62 v1(166.45,202.65) ; 138.45,167.62 v1(138.45,166.65) ; 150.45,95.6 v1(150.45,94.62) ; 22.45,67.57 v1(22.45,66.6) ; 114.45,59.57 v1(114.45,58.6) ; 106.45,79.62 v1(106.45,78.65) ; 154.45,131.57 v1(154.45,130.6) ; 174.45,179.57 v1(174.45,178.6) ; 90.45,183.62 v1(90.45,182.65) ; 98.45,127.6 v1(98.45,126.62) ; D1431.2 v1(78.45,22.57) ; 50.45,159.57 v1(50.45,158.6) ; 106.45,171.57 v1(106.45,170.6) ; 54.45,199.6 v1(54.45,198.62) ; 122.45,95.62 v1(122.45,94.65) ; 154.45,67.57 v1(154.45,66.6) ; 98.45,47.57 v1(98.45,46.6) ; 114.45,131.57 v1(114.45,130.6) ; 162.45,115.58 v1(162.45,114.6) ; 146.45,163.57 v1(146.45,162.6) ; 158.45,11.57 v1(158.45,10.6) ; 58.45,143.57 v1(58.45,142.6) ; D712.2 v1(66.45,122.58) ; 142.45,27.57 v1(142.45,26.6) ; 74.45,167.62 v1(74.45,166.65) ; D527.2 v1(98.45,146.57) ; 70.45,115.58 v1(70.45,114.6) ; 74.45,163.62 v1(74.45,162.65) ; 78.45,171.6 v1(78.45,170.62) ; 58.45,99.57 v1(58.45,98.6) ; 14.45,83.57 v1(14.45,82.6) ; 62.45,163.6 v1(62.45,162.62) ; 118.45,31.57 v1(118.45,30.6) ; 138.45,175.62 v1(138.45,174.65) ; 146.45,179.57 v1(146.45,178.6) ; 150.45,19.57 v1(150.45,18.6) ; 130.45,103.57 v1(130.45,102.6) ; 106.45,71.57 v1(106.45,70.6) ; 54.45,31.57 v1(54.45,30.6) ; 130.45,123.6 v1(130.45,122.62) ; 138.45,47.57 v1(138.45,46.6) ; 118.45,99.6 v1(118.45,98.62) ; 86.45,119.58 v1(86.45,118.6) ; 126.45,163.62 v1(126.45,162.65) ; 138.45,35.56 v1(138.45,34.59) ; 162.45,23.57 v1(162.45,22.6) ; D1169.2 v1(114.45,70.57) ; 126.45,87.57 v1(126.45,86.6) ; 142.45,187.57 v1(142.45,186.6) ; 54.45,119.58 v1(54.45,118.6) ; 42.45,131.57 v1(42.45,130.6) ; 158.45,127.58 v1(158.45,126.6) ; 138.45,111.6 v1(138.45,110.62) ; 150.45,43.57 v1(150.45,42.6) ; 90.45,179.62 v1(90.45,178.65) ; 158.45,31.57 v1(158.45,30.6) ; D735.2 v1(170.45,122.58) ; 74.45,147.6 v1(74.45,146.62) ; 54.45,187.6 v1(54.45,186.62) ; 174.47,123.55 v1(174.47,122.58) ; D493.2 v1(102.45,150.57) ; 58.45,127.58 v1(58.45,126.6) ; 130.45,207.62 v1(130.45,206.65) ; 54.45,131.57 v1(54.45,130.6) ; 106.45,95.62 v1(106.45,94.65) ; D1049.2 v1(142.45,86.57) ; 86.45,147.57 v1(86.45,146.6) ; D576.2 v1(154.45,142.57) ; 170.45,175.62 v1(170.45,174.65) ; 146.47,127.58 v1(146.47,126.6) ; 134.45,159.6 v1(134.45,158.62) ; D510.2 v1(174.45,150.57) ; 90.45,35.57 v1(90.45,34.6) ; 94.45,167.62 v1(94.45,166.65) ; 138.45,23.57 v1(138.45,22.6) ; 82.45,135.6 v1(82.45,134.62) ; 118.45,151.57 v1(118.45,150.6) ; D1330.2 v1(78.45,38.57) ; 158.47,107.57 v1(158.47,106.6) ; 138.45,91.57 v1(138.45,90.6) ; 50.45,75.57 v1(50.45,74.6) ; D307.2 v1(50.45,170.57) ; 22.45,91.57 v1(22.45,90.6) ; 146.45,63.57 v1(146.45,62.6) ; 82.45,175.6 v1(82.45,174.62) ; 158.45,171.57 v1(158.45,170.6) ; 50.45,115.58 v1(50.45,114.6) ; 150.45,167.57 v1(150.45,166.6) ; 134.45,187.62 v1(134.45,186.65) ; 50.45,123.58 v1(50.45,122.6) ; 162.45,79.57 v1(162.45,78.6) ; 46.45,135.57 v1(46.45,134.6) ; 106.45,39.57 v1(106.45,38.6) ; 66.45,167.6 v1(66.45,166.62) ; 102.45,131.6 v1(102.45,130.62) ; 86.45,187.62 v1(86.45,186.65) ; 118.45,39.57 v1(118.45,38.6) ; 34.45,119.58 v1(34.45,118.6) ; 134.43,155.6 v1(134.43,154.62) ; 154.45,147.57 v1(154.45,146.6) ; 142.45,51.57 v1(142.45,50.6) ; D772.2 v1(170.45,118.58) ; 142.43,155.62 v1(142.43,154.65) ; 62.45,71.57 v1(62.45,70.6) ; 138.45,27.57 v1(138.45,26.6) ; 94.45,31.57 v1(94.45,30.6) ; 118.45,119.58 v1(118.45,118.6) ; 122.45,51.57 v1(122.45,50.6) ; 102.45,159.57 v1(102.45,158.6) ; 162.43,155.6 v1(162.43,154.62) ; 142.45,59.57 v1(142.45,58.6) ; 22.45,115.58 v1(22.45,114.6) ; 126.45,95.62 v1(126.45,94.65) ; 70.45,31.57 v1(70.45,30.6) ; 146.45,111.62 v1(146.45,110.65) ; 86.45,27.57 v1(86.45,26.6) ; 22.45,79.57 v1(22.45,78.6) ; D330.2 v1(146.45,170.57) ; 66.45,211.6 v1(66.45,210.62) ; 134.45,147.57 v1(134.45,146.6) ; 70.45,211.6 v1(70.45,210.62) ; 54.45,83.57 v1(54.45,82.6) ; 122.45,75.6 v1(122.45,74.62) ; 54.45,35.57 v1(54.45,34.6) ; 38.45,163.57 v1(38.45,162.6) ; 78.45,175.62 v1(78.45,174.65) ; 138.45,95.6 v1(138.45,94.62) ; 70.45,103.57 v1(70.45,102.6) ; 162.45,119.58 v1(162.45,118.6) ; 58.42,155.6 v1(58.42,154.62) ; 110.45,203.6 v1(110.45,202.62) ; D1216.2 v1(54.45,62.57) ; D1440.2 v1(122.45,22.57) ; 50.45,211.57 v1(50.45,210.6) ; 146.45,183.57 v1(146.45,182.6) ; 50.45,207.6 v1(50.45,206.62) ; D539.2 v1(150.45,146.57) ; 46.45,143.57 v1(46.45,142.6) ; 146.45,11.57 v1(146.45,10.6) ; 62.45,75.57 v1(62.45,74.6) ; 74.45,211.57 v1(74.45,210.6) ; 58.45,199.6 v1(58.45,198.62) ; 122.45,167.62 v1(122.45,166.65) ; 90.45,199.57 v1(90.45,198.6) ; 86.45,159.6 v1(86.45,158.62) ; 74.42,155.62 v1(74.42,154.65) ; 50.45,111.57 v1(50.45,110.6) ; 158.45,115.58 v1(158.45,114.6) ; 110.45,91.62 v1(110.45,90.65) ; 170.45,107.57 v1(170.45,106.6) ; 78.45,199.6 v1(78.45,198.62) ; 138.45,31.57 v1(138.45,30.6) ; 66.45,187.62 v1(66.45,186.65) ; 150.45,23.57 v1(150.45,22.6) ; 102.45,163.57 v1(102.45,162.6) ; 58.45,159.6 v1(58.45,158.62) ; 22.45,107.57 v1(22.45,106.6) ; 82.45,163.6 v1(82.45,162.62) ; 90.45,187.57 v1(90.45,186.6) ; 54.45,143.57 v1(54.45,142.6) ; 126.45,207.6 v1(126.45,206.62) ; 62.45,159.6 v1(62.45,158.62) ; 118.45,183.6 v1(118.45,182.62) ; 126.45,167.62 v1(126.45,166.65) ; 114.45,195.62 v1(114.45,194.65) ; 170.45,183.62 v1(170.45,182.65) ; 46.45,31.57 v1(46.45,30.6) ; 102.45,107.62 v1(102.45,106.65) ; 62.45,171.57 v1(62.45,170.6) ; 146.43,155.57 v1(146.43,154.6) ; 54.45,87.57 v1(54.45,86.6) ; 162.45,83.57 v1(162.45,82.6) ; 34.45,107.57 v1(34.45,106.6) ; 70.45,171.57 v1(70.45,170.6) ; 42.45,67.57 v1(42.45,66.6) ; 122.45,35.57 v1(122.45,34.6) ; 146.45,175.57 v1(146.45,174.6) ; 62.45,139.57 v1(62.45,138.6) ; 66.45,71.57 v1(66.45,70.6) ; 102.45,123.6 v1(102.45,122.62) ; 90.45,123.6 v1(90.45,122.62) ; 70.45,151.57 v1(70.45,150.6) ; 118.45,191.62 v1(118.45,190.65) ; D1070.2 v1(74.45,82.57) ; 82.45,203.62 v1(82.45,202.65) ; 142.45,171.6 v1(142.45,170.62) ; 150.45,131.57 v1(150.45,130.6) ; D2.2 v1(46.45,210.57) ; 150.45,163.57 v1(150.45,162.6) ; 166.45,51.57 v1(166.45,50.6) ; 102.45,23.57 v1(102.45,22.6) ; D629.2 v1(170.45,134.57) ; 110.45,207.6 v1(110.45,206.62) ; 174.43,155.57 v1(174.43,154.6) ; 70.45,175.6 v1(70.45,174.62) ; 54.45,179.57 v1(54.45,178.6) ; 142.45,67.57 v1(142.45,66.6) ; 154.45,187.6 v1(154.45,186.62) ; 86.45,195.62 v1(86.45,194.65) ; 158.45,135.6 v1(158.45,134.62) ; 166.45,99.57 v1(166.45,98.6) ; 54.45,111.57 v1(54.45,110.6) ; 94.45,131.62 v1(94.45,130.65) ; 86.45,35.57 v1(86.45,34.6) ; 74.45,115.58 v1(74.45,114.6) ; 122.45,39.57 v1(122.45,38.6) ; 58.45,175.6 v1(58.45,174.62) ; 130.45,31.57 v1(130.45,30.6) ; 82.45,151.57 v1(82.45,150.6)
